# Altium PCB Copy of drac_v3.PcbDoc (part 4 of 5) (continued)
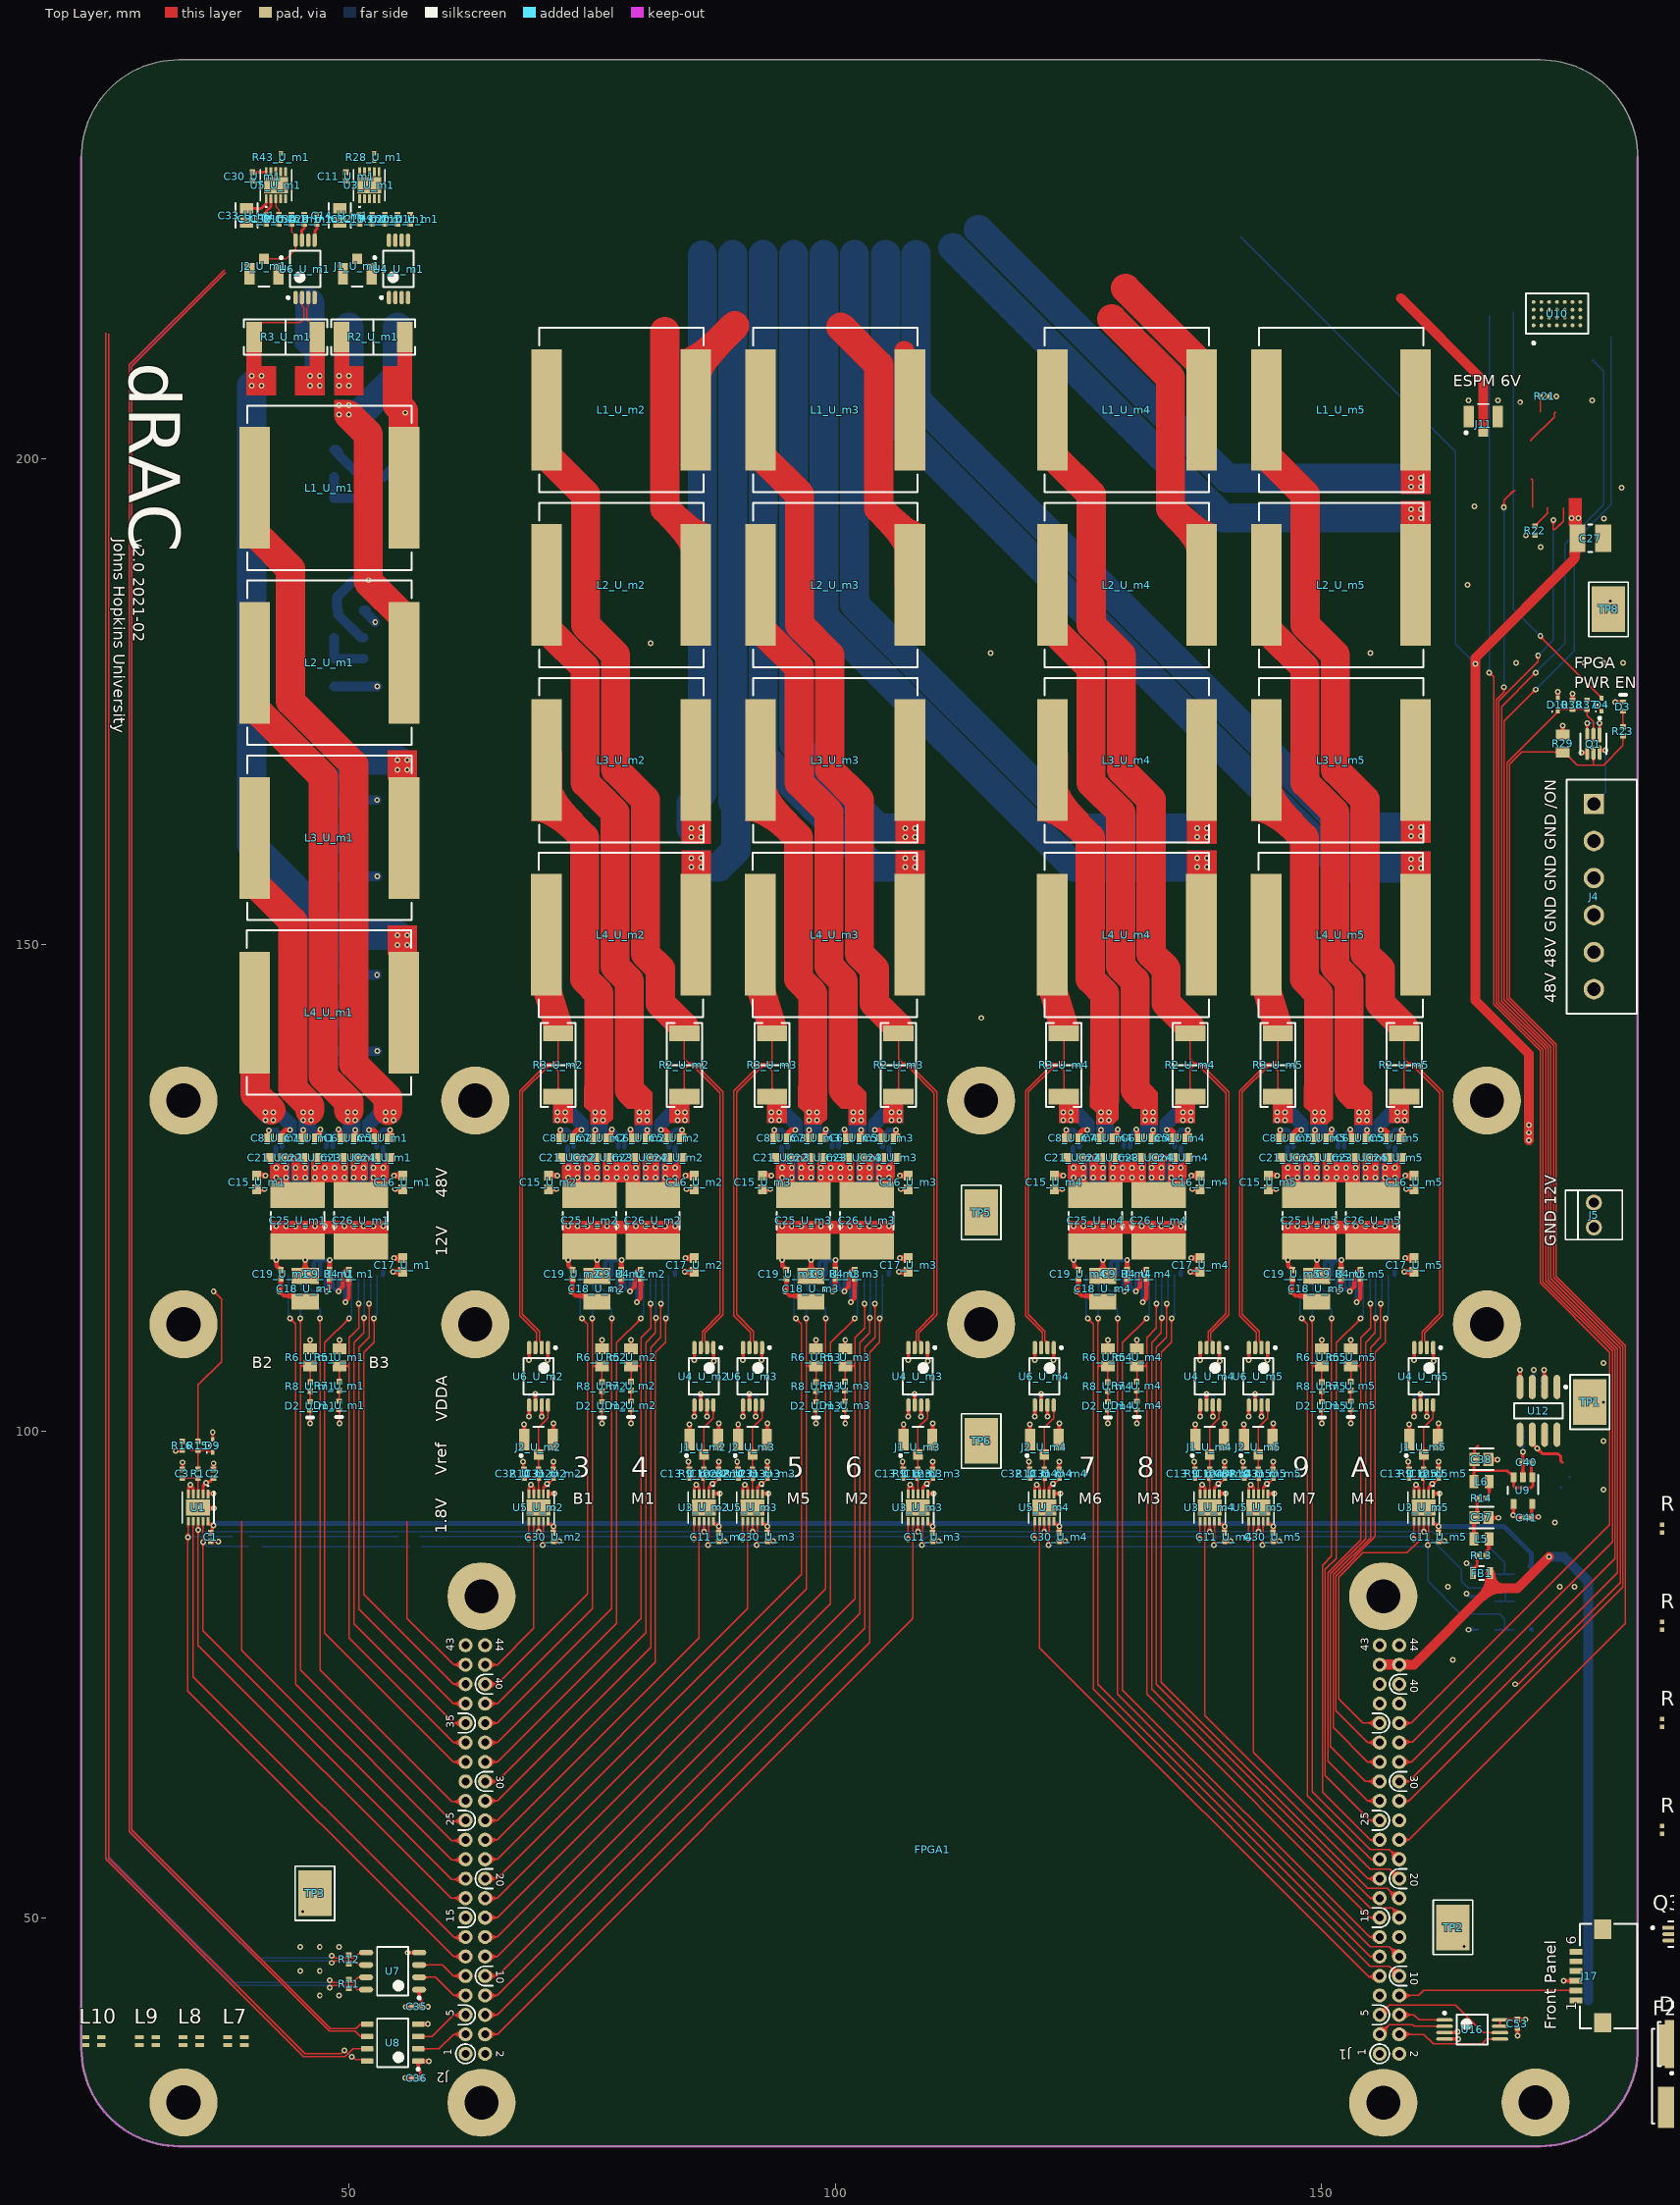
[diagram p0: Top Layer view]
## Nets (pads, with @x,y where several pads share a name; then routed paths per layer and width w, separated by ;. In a path a pad name is that pad's centre, name@x,y a point inside that pad or via, vN(x,y) a via of type N, cw(c..) or ccw(c..) an arc to the next point about the centre after c; other vN are vias at no path point) (continued)
  Bottom Layer w1: v1(173.4,87.1) 174.9,87.1 177.4,84.6 177.4,41.5
VDD6: C50.1 D6.1 J11.2 J16.25 U10.F1 U10.F2 U10.F3 U10.F4 U10.G1 U10.G2 U10.G3 U10.G4 | length 75.8
  Top Layer w1: J16.25@109.74,309.58 109.836,309.676 109.836,310.836 110.5,311.5 113,311.5 116,308.5 116,306 124.5,297.5 136.5,297.5 140,294 158.138,294 ; 158.138,216.5 166.631,208.007 J11.2@166.631,202.782
VDD12: C15_U_m1.1 C15_U_m2.1 C15_U_m3.1 C15_U_m4.1 C15_U_m5.1 C16_U_m1.1 C16_U_m2.1 C16_U_m3.1 C16_U_m4.1 C16_U_m5.1 C17_U_m1.1 C17_U_m2.1 C17_U_m3.1 C17_U_m4.1 C17_U_m5.1 C18_U_m1.1 C18_U_m2.1 C18_U_m3.1 C18_U_m4.1 C18_U_m5.1 C19_U_m1.1 C19_U_m2.1 C19_U_m3.1 C19_U_m4.1 C19_U_m5.1 C27.1 J5.1 J7.2 J17.1 P1.5 P1.10 P2.2 R39.2 U2_U_m1.1 U2_U_m1.17 U2_U_m1.18 U2_U_m1.19 U2_U_m1.36 U2_U_m2.1 U2_U_m2.17 U2_U_m2.18 U2_U_m2.19 U2_U_m2.36 U2_U_m3.1 U2_U_m3.17 U2_U_m3.18 U2_U_m3.19 U2_U_m3.36 U2_U_m4.1 U2_U_m4.17 U2_U_m4.18 U2_U_m4.19 U2_U_m4.36 U2_U_m5.1 U2_U_m5.17 U2_U_m5.18 U2_U_m5.19 U2_U_m5.36 U10.B4 U10.C4 | length 184.2
  Top Layer w0.147: J7.2@15.816,117.88 15.858,117.921 v1(15.858,118.977)
  Top Layer w0.45: C19_U_m1.1@43,115.72 43,114.614 42.825,114.439 v1(42.825,114.398) 42.866,114.398 43.34,113.924 44.899,113.924 C18_U_m1.1@45.5,113.323 ; C19_U_m2.1@73,115.72 73,114.614 72.825,114.439 v1(72.825,114.398) 72.866,114.398 73.34,113.924 74.899,113.924 C18_U_m2.1@75.5,113.323 ; C19_U_m3.1@95,115.72 95,114.614 94.825,114.439 v1(94.825,114.398) 94.866,114.398 95.34,113.924 96.899,113.924 C18_U_m3.1@97.5,113.323 ; C19_U_m4.1@125,115.72 125,114.614 124.825,114.439 v1(124.825,114.398) 124.866,114.398 125.34,113.924 126.899,113.924 C18_U_m4.1@127.5,113.323 ; C19_U_m5.1@147,115.72 147,114.614 146.825,114.439 v1(146.825,114.398) 146.866,114.398 147.34,113.924 148.899,113.924 C18_U_m5.1@149.5,113.323
  Top Layer w0.5: C15_U_m1.1@40.525,126.3 C15_U_m1.1@40.525,126.3 v1(41.425,126.298) v1(41.425,126.298) ; v1(54.525,116.398) v1(54.525,116.398) C17_U_m1.1@55.524,116.397 ; v1(54.625,126.298) v1(54.625,126.298) C16_U_m1.1@55.525,126.3 C16_U_m1.1@55.525,126.3 ; C15_U_m2.1@70.525,126.3 C15_U_m2.1@70.525,126.3 v1(71.425,126.298) v1(71.425,126.298) ; v1(84.525,116.398) v1(84.525,116.398) 85.524,116.397 C17_U_m2.1@85.525,116.396 ; v1(84.625,126.298) v1(84.625,126.298) C16_U_m2.1@85.525,126.3 C16_U_m2.1@85.525,126.3 ; C15_U_m3.1@92.525,126.3 92.526,126.299 v1(93.425,126.298) v1(93.425,126.298) ; v1(106.525,116.398) v1(106.525,116.398) C17_U_m3.1@107.524,116.397 ; v1(106.625,126.298) 106.626,126.299 107.524,126.299 C16_U_m3.1@107.525,126.3 ; C15_U_m4.1@122.525,126.3 122.526,126.299 123.424,126.299 v1(123.425,126.298) ; v1(136.525,116.398) v1(136.525,116.398) C17_U_m4.1@137.524,116.397 ; v1(136.625,126.298) 136.626,126.299 137.524,126.299 C16_U_m4.1@137.525,126.3 ; C15_U_m5.1@144.525,126.3 C15_U_m5.1@144.525,126.3 v1(145.425,126.298) v1(145.425,126.298) ; v1(158.525,116.398) 158.526,116.397 C17_U_m5.1@159.524,116.397 ; v1(158.625,126.298) v1(158.625,126.298) C16_U_m5.1@159.525,126.3 C16_U_m5.1@159.525,126.3 ; C17_U_m1.1@55.524,116.397 C17_U_m1.1@55.525,116.396 ; C17_U_m3.1@107.524,116.397 C17_U_m3.1@107.525,116.396 ; C17_U_m4.1@137.524,116.397 C17_U_m4.1@137.525,116.396 ; C17_U_m5.1@159.524,116.397 C17_U_m5.1@159.525,116.396
  Top Layer w1: v1(171.3,129.9) v1(171.3,130.7) v1(171.3,131.5) 171.3,138.8 165.8,144.3 v1(165.8,178.9) 165.8,179.5 176.031,189.731 176.031,191.533 C27.1@176.305,191.807
  Bottom Layer w0.147: R39.2@141,314.548 141.002,314.548 141.68,313.87 P1.5@141.68,310.5 P1.10@141.68,300.3 ; 141.68,222.8 163.75,200.73 163.75,180.95 v1(165.8,178.9)
  Bottom Layer w0.45: v1(42.825,114.398) v1@42.825,114.439 ; U2_U_m1.1@53.525,116.073 U2_U_m1.1@53.525,116.398 ; v1(72.825,114.398) v1@72.825,114.439 ; U2_U_m2.1@83.525,116.073 U2_U_m2.1@83.525,116.398 ; v1(94.825,114.398) v1@94.825,114.439 ; U2_U_m3.1@105.525,116.073 U2_U_m3.1@105.525,116.398 ; v1(124.825,114.398) v1@124.825,114.439 ; U2_U_m4.1@135.525,116.073 U2_U_m4.1@135.525,116.398 ; v1(146.825,114.398) v1@146.825,114.439 ; U2_U_m5.1@157.525,116.073 U2_U_m5.1@157.525,116.398
  Bottom Layer w0.5: U2_U_m1.19@42.475,128.448 U2_U_m1.19@42.475,129.223 ; U2_U_m1.36@53.525,128.448 U2_U_m1.36@53.525,129.223 ; U2_U_m2.19@72.475,128.448 U2_U_m2.19@72.475,129.223 ; U2_U_m2.36@83.525,128.448 U2_U_m2.36@83.525,129.223 ; U2_U_m3.19@94.475,128.448 U2_U_m3.19@94.475,129.223 ; U2_U_m3.36@105.525,128.448 U2_U_m3.36@105.525,129.223 ; U2_U_m4.19@124.475,128.448 U2_U_m4.19@124.475,129.223 ; U2_U_m4.36@135.525,128.448 U2_U_m4.36@135.525,129.223 ; U2_U_m5.19@146.475,128.448 U2_U_m5.19@146.475,129.223 ; U2_U_m5.36@157.525,128.448 U2_U_m5.36@157.525,129.223
  other v1: 175.7,193.9 176.4,193.9
VDDA: C10_U_m1.1 C10_U_m2.1 C10_U_m3.1 C10_U_m4.1 C10_U_m5.1 C29_U_m1.1 C29_U_m2.1 C29_U_m3.1 C29_U_m4.1 C29_U_m5.1 C38.1 C40.2 C47.2 J8.2 L6.2 U4_U_m1.5 U4_U_m2.5 U4_U_m3.5 U4_U_m4.5 U4_U_m5.5 U6_U_m1.5 U6_U_m2.5 U6_U_m3.5 U6_U_m4.5 U6_U_m5.5 U9.1 U9.3 U12.2 | length 26.3
  Top Layer w0.3: J8.2@15.816,101.38 15.858,101.421 v1(15.858,102.477) ; U6_U_m1.5@46.475,222.45 46.504,222.479 46.504,223.404 46.7,223.6 C29_U_m1.1@46.7,224.171 ; v1(68.525,101.498) U6_U_m2.5@68.525,102.698 ; v1(85.525,101.498) U4_U_m2.5@85.525,102.698 ; v1(90.525,101.498) U6_U_m3.5@90.525,102.698 ; v1(107.525,101.498) U4_U_m3.5@107.525,102.698 ; v1(120.525,101.498) U6_U_m4.5@120.525,102.698 ; v1(137.525,101.498) U4_U_m4.5@137.525,102.698 ; v1(142.525,101.498) U6_U_m5.5@142.525,102.698 ; v1(159.525,101.498) U4_U_m5.5@159.525,102.698 ; v1(172.9,106.3) 172.917,106.283 172.917,104.567 U12.2@172.935,104.55
  Bottom Layer w0.3: C29_U_m2.1@68.5,102.72 68.512,102.707 68.512,101.511 v1(68.525,101.498) ; C10_U_m2.1@85.5,102.72 85.512,102.707 85.512,101.511 v1(85.525,101.498) ; C29_U_m3.1@90.5,102.72 90.513,102.707 90.513,101.511 v1(90.525,101.498) ; C10_U_m3.1@107.5,102.72 107.513,102.707 107.513,101.511 v1(107.525,101.498) ; C29_U_m4.1@120.5,102.72 120.512,102.707 120.512,101.511 v1(120.525,101.498) ; C10_U_m4.1@137.5,102.72 137.512,102.707 137.512,101.511 v1(137.525,101.498) ; C29_U_m5.1@142.5,102.72 142.513,102.707 142.513,101.511 v1(142.525,101.498) ; C10_U_m5.1@159.5,102.72 159.513,102.707 159.513,101.511 v1(159.525,101.498) ; C47.2@172.729,104.2 172.729,105.6 172.843,105.714 172.843,106.243 v1(172.9,106.3)
VM: C21_U_m1.1 C21_U_m2.1 C21_U_m3.1 C21_U_m4.1 C21_U_m5.1 C22_U_m1.1 C22_U_m2.1 C22_U_m3.1 C22_U_m4.1 C22_U_m5.1 C23_U_m1.1 C23_U_m2.1 C23_U_m3.1 C23_U_m4.1 C23_U_m5.1 C24_U_m1.1 C24_U_m2.1 C24_U_m3.1 C24_U_m4.1 C24_U_m5.1 C25_U_m1.1 C25_U_m2.1 C25_U_m3.1 C25_U_m4.1 C25_U_m5.1 C26_U_m1.1 C26_U_m2.1 C26_U_m3.1 C26_U_m4.1 C26_U_m5.1 D5.1 F2.2 J6.2 R15.2 U2_U_m1.21 U2_U_m1.26 U2_U_m1.29 U2_U_m1.34 U2_U_m2.21 U2_U_m2.26 U2_U_m2.29 U2_U_m2.34 U2_U_m3.21 U2_U_m3.26 U2_U_m3.29 U2_U_m3.34 U2_U_m4.21 U2_U_m4.26 U2_U_m4.29 U2_U_m4.34 U2_U_m5.21 U2_U_m5.26 U2_U_m5.29 U2_U_m5.34 | length 17.9
  Top Layer w0.147: J6.2@15.816,123.88 15.858,123.921 v1(15.858,124.977) ; R15.2@34.5,98.952 34.5,104.748 36.9,107.148 36.9,113.6 v1(36.1,114.4)
  other v1: 42.525,126.098 43.525,126.098 46.525,126.098 47.525,126.098 48.525,126.098 49.525,126.098 52.525,126.098 53.525,126.098 72.525,126.098 73.525,126.098 76.525,126.098 77.525,126.098 78.525,126.098 79.525,126.098 82.525,126.098 83.525,126.098 94.525,126.098 95.525,126.098 98.525,126.098 99.525,126.098 100.525,126.098 101.525,126.098 104.525,126.098 105.525,126.098 124.525,126.098 125.525,126.098 128.525,126.098 129.525,126.098 130.525,126.098 131.525,126.098 134.525,126.098 135.525,126.098 146.525,126.098 147.525,126.098 150.525,126.098 151.525,126.098 152.525,126.098 153.525,126.098 156.525,126.098 157.525,126.098 42.525,127.098 43.525,127.098 46.525,127.098 47.525,127.098 48.525,127.098 49.525,127.098 52.525,127.098 53.525,127.098 72.525,127.098 73.525,127.098 76.525,127.098 77.525,127.098 78.525,127.098 79.525,127.098 82.525,127.098 83.525,127.098 94.525,127.098 95.525,127.098 98.525,127.098 99.525,127.098 100.525,127.098 101.525,127.098 104.525,127.098 105.525,127.098 124.525,127.098 125.525,127.098 128.525,127.098 129.525,127.098 130.525,127.098 131.525,127.098 134.525,127.098 135.525,127.098 146.525,127.098 147.525,127.098 150.525,127.098 151.525,127.098 152.525,127.098 153.525,127.098 156.525,127.098 157.525,127.098
VREF: C4.1 C14_U_m1.1 C14_U_m2.1 C14_U_m3.1 C14_U_m4.1 C14_U_m5.1 C20_U_m1.1 C20_U_m2.1 C20_U_m3.1 C20_U_m4.1 C20_U_m5.1 C33_U_m1.1 C33_U_m2.1 C33_U_m3.1 C33_U_m4.1 C33_U_m5.1 C34_U_m1.1 C34_U_m2.1 C34_U_m3.1 C34_U_m4.1 C34_U_m5.1 C49.2 J9.2 U1.1 U3_U_m1.1 U3_U_m2.1 U3_U_m3.1 U3_U_m4.1 U3_U_m5.1 U4_U_m1.7 U4_U_m2.7 U4_U_m3.7 U4_U_m4.7 U4_U_m5.7 U5_U_m1.1 U5_U_m2.1 U5_U_m3.1 U5_U_m4.1 U5_U_m5.1 U6_U_m1.7 U6_U_m2.7 U6_U_m3.7 U6_U_m4.7 U6_U_m5.7 U12.6 | length 21.6
  Top Layer w0.147: J9.2@15.816,95.38 15.858,95.421 v1(15.858,96.477)
  Top Layer w0.3: U1.1@35.5,93.551 35.5,93.6 v1(36.1,93.6) ; C33_U_m1.1@39.47,225.726 41.026,225.726 41.5,226.2 U5_U_m1.1@41.5,226.698 ; U6_U_m1.7@45.175,222.45 45.175,223.475 45.4,223.7 C34_U_m1.1@45.4,224.171 ; v1(69.825,101.498) U6_U_m2.7@69.825,102.698 ; U5_U_m2.1@70.5,93.551 70.5,93.598 v1(71.125,93.598) ; v1(86.825,101.498) U4_U_m2.7@86.825,102.698 ; U3_U_m2.1@87.5,93.551 87.5,93.598 v1(88.125,93.598) ; v1(91.825,101.498) U6_U_m3.7@91.825,102.698 ; U5_U_m3.1@92.5,93.551 92.5,93.598 v1(93.125,93.598) ; v1(108.825,101.498) U4_U_m3.7@108.825,102.698 ; U3_U_m3.1@109.5,93.551 109.5,93.598 v1(110.125,93.598) ; v1(121.825,101.498) U6_U_m4.7@121.825,102.698 ; U5_U_m4.1@122.5,93.551 122.5,93.598 v1(123.125,93.598) ; v1(138.825,101.498) U4_U_m4.7@138.825,102.698 ; U3_U_m4.1@139.5,93.551 139.5,93.598 v1(140.125,93.598) ; v1(143.825,101.498) U6_U_m5.7@143.825,102.698 ; U5_U_m5.1@144.5,93.551 144.5,93.598 v1(145.125,93.598) ; v1(160.825,101.498) U4_U_m5.7@160.825,102.698 ; U3_U_m5.1@161.5,93.551 161.5,93.598 v1(162.125,93.598)
  Bottom Layer w0.3: v1@71.068,93.541 v1(71.125,93.598) ; v1@93.068,93.541 v1(93.125,93.598) ; v1@123.068,93.541 v1(123.125,93.598) ; v1@145.068,93.541 v1(145.125,93.598)
VREG_U_m1: C9_U_m1.1 U2_U_m1.10 U2_U_m1.13 | length 6.6
  Top Layer w0.45: v1(47.736,114.387) 47.736,114.428 48,114.692 C9_U_m1.1@48,115.72
  Bottom Layer w0.147: U2_U_m1.13@45.725,116.073 45.725,114.898 46.236,114.387 v1(47.736,114.387)
  Bottom Layer w0.45: U2_U_m1.10@47.675,116.073 47.675,114.489 47.736,114.428 v1(47.736,114.387)
VREG_U_m2: C9_U_m2.1 U2_U_m2.10 U2_U_m2.13 | length 6.6
  Top Layer w0.45: v1(77.736,114.387) 77.736,114.428 78,114.692 C9_U_m2.1@78,115.72
  Bottom Layer w0.147: U2_U_m2.13@75.725,116.073 75.725,114.898 76.236,114.387 v1(77.736,114.387)
  Bottom Layer w0.45: U2_U_m2.10@77.675,116.073 77.675,114.489 77.736,114.428 v1(77.736,114.387)
VREG_U_m3: C9_U_m3.1 U2_U_m3.10 U2_U_m3.13 | length 6.6
  Top Layer w0.45: v1(99.736,114.387) 99.736,114.428 100,114.692 C9_U_m3.1@100,115.72
  Bottom Layer w0.147: U2_U_m3.13@97.725,116.073 97.725,114.898 98.236,114.387 v1(99.736,114.387)
  Bottom Layer w0.45: U2_U_m3.10@99.675,116.073 99.675,114.489 99.736,114.428 v1(99.736,114.387)
VREG_U_m4: C9_U_m4.1 U2_U_m4.10 U2_U_m4.13 | length 6.6
  Top Layer w0.45: v1(129.736,114.387) 129.736,114.428 130,114.692 C9_U_m4.1@130,115.72
  Bottom Layer w0.147: U2_U_m4.13@127.725,116.073 127.725,114.898 128.236,114.387 v1(129.736,114.387)
  Bottom Layer w0.45: U2_U_m4.10@129.675,116.073 129.675,114.489 129.736,114.428 v1(129.736,114.387)
VREG_U_m5: C9_U_m5.1 U2_U_m5.10 U2_U_m5.13 | length 6.6
  Top Layer w0.45: v1(151.736,114.387) 151.736,114.428 152,114.692 C9_U_m5.1@152,115.72
  Bottom Layer w0.147: U2_U_m5.13@149.725,116.073 149.725,114.898 150.236,114.387 v1(151.736,114.387)
  Bottom Layer w0.45: U2_U_m5.10@151.675,116.073 151.675,114.489 151.736,114.428 v1(151.736,114.387)
pads on no net: F1.1 F1.2 FPGA1.7 J3.3 J3.6 J3.7 J3.8 J3.9 J3.10 J3.13 J16.9 J16.16 J16.17 J16.18 J17.4 J17.5 J17.6 J17.MP1 J17.MP2 P2.1 Q2.3 Q2.4 Q2.5 U10.A3 U12.1 U12.3 U12.5 U12.7 U12.8 U15.2 U15.7
copper on no net: | length 586.4
  Top Layer w0.147: 69.175,108.598 69.175,109.155 69.301,109.281 69.301,110.172 67.576,111.897 67.576,134.974 70.399,137.797 71.124,137.797 71.5,138.173 71.5,140.898 ; 84.5,140.898 84.5,138.287 84.912,137.875 85.473,137.875 88.45,134.898 88.45,111.973 86.6,110.123 86.6,109.311 86.825,109.086 86.825,108.598 ; 91.175,108.598 91.175,109.155 91.301,109.281 91.301,110.172 89.576,111.897 89.576,134.974 92.399,137.797 93.124,137.797 93.5,138.173 93.5,140.898 ; 106.5,140.898 106.5,138.287 106.912,137.875 107.473,137.875 110.45,134.898 110.45,111.973 108.6,110.123 108.6,109.311 108.825,109.086 108.825,108.598 ; 121.175,108.598 121.175,109.155 121.301,109.281 121.301,110.172 119.576,111.897 119.576,134.974 122.399,137.797 123.124,137.797 123.5,138.173 123.5,140.898 ; 136.5,140.898 136.5,138.287 136.912,137.875 137.473,137.875 140.45,134.898 140.45,111.973 138.6,110.123 138.6,109.311 138.825,109.086 138.825,108.598 ; 143.175,108.598 143.175,109.155 143.301,109.281 143.301,110.172 141.576,111.897 141.576,134.974 144.399,137.797 145.124,137.797 145.5,138.173 145.5,140.898 ; 158.5,140.898 158.5,138.287 158.912,137.875 159.473,137.875 162.45,134.898 162.45,111.973 160.6,110.123 160.6,109.311 160.825,109.086 160.825,108.598 ; 171.524,197.924 171.674,197.774 171.674,194.949 ; 171.524,201.824 171.5,201.848 171.5,201.85 173.898,204.248 173.898,204.623 174.074,204.799
  Top Layer w0.3: 165.662,94.824 165.662,95.944 ; 166.071,98.471 165.721,98.121 165.721,97.124 165.662,97.064 165.662,95.944 ; 171.529,96.8 171.589,96.739 171.589,95.336 171.7,95.225 171.7,94.364 171.524,94.188 169.926,94.188 169.75,94.364 169.75,95.275 169.75,95.475 169.6,95.625 169.4,95.625 169.081,95.944 165.662,95.944 ; 171.665,99.65 171.665,98.75 172.715,97.7 174.3,97.7 174.618,97.382 174.618,96.934 174.752,96.8
  Top Layer w3: 70.325,205 70.325,200.325 70.4,200.25 74.325,196.325 74.325,182.9 77.427,179.798 77.427,167.996 80.479,164.944 80.479,149.089 82.025,147.543 82.025,144.023 84.45,141.598 ; 92.325,205 92.325,200.325 92.4,200.25 96.325,196.325 96.325,182.9 99.427,179.798 99.427,167.996 102.479,164.944 102.479,149.089 104.025,147.543 104.025,144.023 106.45,141.598 ; 122.325,205 122.325,200.325 122.4,200.25 126.325,196.325 126.325,182.9 129.427,179.798 129.427,167.996 132.479,164.944 132.479,149.089 134.025,147.543 134.025,144.023 136.45,141.598 ; 144.325,205 144.325,200.325 144.4,200.25 148.325,196.325 148.325,182.9 151.427,179.798 151.427,167.996 154.479,164.944 154.479,149.089 156.025,147.543 156.025,144.023 158.45,141.598
  Bottom Layer w0.3: 171.529,100.4 171.529,99.098 171.55,99.098 172.133,98.516 172.133,98.282 v1(172.19,98.225) ; 174.573,94.2 174.6,94.2 ; 175.492,95.299 175.493,95.3 175.5,95.3
  other v1: 174,90.6

## Polygon pours and split planes (outlines as drawn)
VDD on Bottom Layer "VDD_L06_P003" (solid, remove dead copper, pour order 3): 172.5,87.033 172.5,26 53,26 53,87.444
GND on Mid Layer 4 (split plane): 153 vertices, not listed, extent 23.008,27.008 181.992,240.492
GND on Mid Layer 1 (split plane): 153 vertices, not listed, extent 23.008,27.008 181.992,240.492

## Keep-outs
Keep-Out Layer:
  lines w0.254: 22.5,231 22.5,36.5 ccw(c32.5,36.5) 32.5,26.5 172.5,26.5 ccw(c172.5,36.5) 182.5,36.5 182.5,231 ; 22.5,308.5 cw(c32.5,308.5) 32.5,318.5 172.5,318.5 cw(c172.5,308.5) 182.5,308.5

## Other copper
Top Layer:
  rectangle net ISENSE+2_U_m1: 54,149 57,152
  rectangle net /BRAKE2: 54,167 57,170
  region net /BRAKE3: 50,204.5 48.5,204.5 48.5,206 50,206
  region net ISENSE-1_U_m1: 56.5,211 55,211 55,209.5 53.5,209.5 53.5,206.5 56.5,206.5
  region net BRAKE3: 48.5,211 50,211 50,209.5 51.5,209.5 51.5,206.5 48.5,206.5
  region net BRAKE2: 47.5,211 46,211 46,209.5 44.5,209.5 44.5,206.5 47.5,206.5
  region net ISENSE+2_U_m1: 39.5,211 41,211 41,209.5 42.5,209.5 42.5,206.5 39.5,206.5
  region: 145.825,145.598 147.025,141.598 144.025,141.598 142.825,145.598
  region: 123.825,145.598 125.025,141.598 122.025,141.598 120.825,145.598
  region: 93.825,145.598 95.025,141.598 92.025,141.598 90.825,145.598
  region: 71.825,145.598 73.025,141.598 70.025,141.598 68.825,145.598
  region net VDD12: 175.431,195.907 175.431,193.107 176.731,193.107 176.731,195.907
  region net BRAKE1: 84.2,159.7 84.2,157.3 87.2,157.3 87.2,159.7
  region net /BRAKE1: 84.2,162.8 84.2,160.4 87.2,160.4 87.2,162.8
  region net COIL2_P3: 106.2,159.7 106.2,157.3 109.2,157.3 109.2,159.7
  region net /MOTOR5: 106.2,162.8 106.2,160.4 109.2,160.4 109.2,162.8
  region net COIL2_P4: 136.2,159.7 136.2,157.3 139.2,157.3 139.2,159.7
  region net /MOTOR6: 136.2,162.8 136.2,160.4 139.2,160.4 139.2,162.8
  region net COIL1_P5: 158.2,195.6 158.2,193.2 161.2,193.2 161.2,195.6
  region net /MOTOR4: 158.2,198.8 158.2,196.4 161.2,196.4 161.2,198.8
  region net COIL2_P5: 158.2,159.6 158.2,157.2 161.2,157.2 161.2,159.6
  region net /MOTOR7: 158.2,162.9 158.2,160.5 161.2,160.5 161.2,162.9
  region net NetC5_U_m4_2: 134.975,133.698 134.975,131.698 136.975,131.698 136.975,133.698
  region net VM: 135.725,127.698 135.725,127.498 134.225,127.498 134.225,125.598 136.125,125.598 136.125,127.698
  region net GND: 132.225,125.798 132.225,128.498 134.525,128.498 134.525,127.698 133.925,127.698 133.925,125.798
  region net VM: 131.925,127.698 131.925,125.598 128.125,125.598 128.125,127.698
  region net NetC8_U_m4_2: 125.025,133.698 125.025,131.698 123.025,131.698 123.025,133.698
  region net GND: 127.825,125.798 126.125,125.798 126.125,127.698 125.625,127.698 125.625,128.498 127.825,128.498
  region net VM: 124.325,127.698 124.325,127.498 125.825,127.498 125.825,125.598 123.925,125.598 123.925,127.698
  region net GND: 124.025,120.298 136.025,120.298 136.025,121.598 124.025,121.598
  region net NetC7_U_m4_2: 129.175,135.498 129.139,132.113 128.575,131.548 126.825,131.548 126.825,132.748 126.2,133.373 126.2,135.498
  region net NetC6_U_m4_2: 132.325,135.698 133.175,134.848 133.175,131.523 131.375,131.523 131.375,133.173 130.625,133.173 129.75,134.048
  region net NetC5_U_m3_2: 104.975,133.698 104.975,131.698 106.975,131.698 106.975,133.698
  region net VM: 105.725,127.698 105.725,127.498 104.225,127.498 104.225,125.598 106.125,125.598 106.125,127.698
  region net GND: 102.225,125.798 102.225,128.498 104.525,128.498 104.525,127.698 103.925,127.698 103.925,125.798
  region net VM: 101.925,127.698 101.925,125.598 98.125,125.598 98.125,127.698
  region net NetC8_U_m3_2: 95.025,133.698 95.025,131.698 93.025,131.698 93.025,133.698
  region net GND: 97.825,125.798 96.125,125.798 96.125,127.698 95.625,127.698 95.625,128.498 97.825,128.498
  region net VM: 94.325,127.698 94.325,127.498 95.825,127.498 95.825,125.598 93.925,125.598 93.925,127.698
  region net GND: 94.025,120.298 106.025,120.298 106.025,121.598 94.025,121.598
  region net NetC7_U_m3_2: 99.175,135.498 99.139,132.113 98.575,131.548 96.825,131.548 96.825,132.748 96.2,133.373 96.2,135.498
  region net NetC6_U_m3_2: 102.325,135.698 103.175,134.848 103.175,131.523 101.375,131.523 101.375,133.173 100.625,133.173 99.75,134.048
  region net NetC5_U_m2_2: 82.975,133.698 82.975,131.698 84.975,131.698 84.975,133.698
  region net VM: 83.725,127.698 83.725,127.498 82.225,127.498 82.225,125.598 84.125,125.598 84.125,127.698
  region net GND: 80.225,125.798 80.225,128.498 82.525,128.498 82.525,127.698 81.925,127.698 81.925,125.798
  region net VM: 79.925,127.698 79.925,125.598 76.125,125.598 76.125,127.698
  region net NetC8_U_m2_2: 73.025,133.698 73.025,131.698 71.025,131.698 71.025,133.698
  region net GND: 75.825,125.798 74.125,125.798 74.125,127.698 73.625,127.698 73.625,128.498 75.825,128.498
  region net VM: 72.325,127.698 72.325,127.498 73.825,127.498 73.825,125.598 71.925,125.598 71.925,127.698
  region net GND: 72.025,120.298 84.025,120.298 84.025,121.598 72.025,121.598
  region net NetC7_U_m2_2: 77.175,135.498 77.139,132.113 76.575,131.548 74.825,131.548 74.825,132.748 74.2,133.373 74.2,135.498
  region net NetC6_U_m2_2: 80.325,135.698 81.175,134.848 81.175,131.523 79.375,131.523 79.375,133.173 78.625,133.173 77.75,134.048
  region net VM: 53.725,127.698 53.725,127.498 52.225,127.498 52.225,125.598 54.125,125.598 54.125,127.698
  region net GND: 50.225,125.798 50.225,128.498 52.525,128.498 52.525,127.698 51.925,127.698 51.925,125.798
  region net VM: 49.925,127.698 49.925,125.598 46.125,125.598 46.125,127.698
  region net GND: 45.825,125.798 44.125,125.798 44.125,127.698 43.625,127.698 43.625,128.498 45.825,128.498
  region net VM: 42.325,127.698 42.325,127.498 43.825,127.498 43.825,125.598 41.925,125.598 41.925,127.698
  region net GND: 42.025,120.298 54.025,120.298 54.025,121.598 42.025,121.598
  region net GND: 154.225,125.798 154.225,128.498 156.525,128.498 156.525,127.698 155.925,127.698 155.925,125.798
  region net VM: 157.725,127.698 157.725,127.498 156.225,127.498 156.225,125.598 158.125,125.598 158.125,127.698
  region net VM: 153.925,127.698 153.925,125.598 150.125,125.598 150.125,127.698
  region net GND: 149.825,125.798 148.125,125.798 148.125,127.698 147.625,127.698 147.625,128.498 149.825,128.498
  region net VM: 146.325,127.698 146.325,127.498 147.825,127.498 147.825,125.598 145.925,125.598 145.925,127.698
  region net NetC7_U_m5_2: 151.175,135.498 151.139,132.113 150.575,131.548 148.825,131.548 148.825,132.748 148.2,133.373 148.2,135.498
  region net NetC5_U_m5_2: 156.975,133.698 156.975,131.698 158.975,131.698 158.975,133.698
  region net NetC6_U_m5_2: 154.325,135.698 155.175,134.848 155.175,131.523 153.375,131.523 153.375,133.173 152.625,133.173 151.75,134.048
  region net NetC8_U_m5_2: 147.025,133.698 147.025,131.698 145.025,131.698 145.025,133.698
  region net GND: 146.025,120.298 158.025,120.298 158.025,121.598 146.025,121.598
Bottom Layer:
  region net ISENSE+2_U_m1: 54.5,151 54.5,149.5 56.5,149.5 56.5,151
  region net /BRAKE2: 54.5,169 54.5,167.5 56.5,167.5 56.5,169
  region net BRAKE3: 50,209 48.5,209 48.5,207 50,207
  region net /BRAKE3: 50.5,204.5 50.5,206 48.5,206 48.5,204.5
  region net ISENSE+2_U_m1: 40,207 41.5,207 41.5,209 40,209
  region net BRAKE2: 45.5,207 47.5,207 47.5,214 44.5,214 44.5,211.5 45.5,210.5
  region net COIL1_P5: 158.2,195.6 158.2,193.2 161.2,193.2 161.2,195.6
  region net /MOTOR4: 158.2,198.8 158.2,196.4 161.2,196.4 161.2,198.8
  region net COIL2_P5: 158.2,159.6 158.2,157.2 161.2,157.2 161.2,159.6
  region net /MOTOR7: 158.2,162.9 158.2,160.5 161.2,160.5 161.2,162.9
  region net COIL2_P4: 136.2,159.7 136.2,157.3 139.2,157.3 139.2,159.7
  region net /MOTOR6: 136.2,162.8 136.2,160.4 139.2,160.4 139.2,162.8
  region net COIL2_P3: 106.2,159.7 106.2,157.3 109.2,157.3 109.2,159.7
  region net /MOTOR5: 106.2,162.8 106.2,160.4 109.2,160.4 109.2,162.8
  region net BRAKE1: 84.2,159.7 84.2,157.3 87.2,157.3 87.2,159.7
  region net /BRAKE1: 84.2,162.8 84.2,160.4 87.2,160.4 87.2,162.8
  region net NetC5_U_m4_2: 133.375,130.198 133.375,131.898 134.675,133.198 136.975,133.198 136.975,131.698 135.175,131.698 133.675,130.198
  region net NetC6_U_m4_2: 131.375,130.098 131.375,133.198 133.175,133.198 133.175,130.398 131.875,130.398 131.875,130.098
  region net NetC8_U_m4_2: 126.625,130.198 126.625,131.898 125.325,133.198 123.025,133.198 123.025,131.698 124.825,131.698 126.325,130.198
  region net NetC7_U_m4_2: 128.625,130.098 128.625,133.198 126.825,133.198 126.825,130.398 128.125,130.398 128.125,130.098
  region net VM: 128.225,125.598 131.825,125.598 131.825,127.998 131.125,127.998 131.125,128.398 130.825,128.398 130.825,127.998 129.225,127.998 129.225,128.398 128.825,128.398 128.825,127.998 128.225,127.998
  region net GND: 126.225,125.598 127.925,125.598 127.925,128.298 126.825,128.298 126.825,127.998 126.225,127.998
  region net VM: 126.025,125.598 126.025,128.298 125.525,128.298 125.525,127.998 124.225,127.998 124.225,125.598
  region net GND: 133.825,125.598 132.125,125.598 132.125,128.298 133.125,128.298 133.125,127.998 133.825,127.998
  region net VM: 134.025,125.598 134.025,128.298 134.425,128.298 134.425,127.998 135.825,127.998 135.825,125.598
  region net NetC5_U_m3_2: 103.375,130.198 103.375,131.898 104.675,133.198 106.975,133.198 106.975,131.698 105.175,131.698 103.675,130.198
  region net NetC6_U_m3_2: 101.375,130.098 101.375,133.198 103.175,133.198 103.175,130.398 101.875,130.398 101.875,130.098
  region net NetC8_U_m3_2: 96.625,130.198 96.625,131.898 95.325,133.198 93.025,133.198 93.025,131.698 94.825,131.698 96.325,130.198
  region net NetC7_U_m3_2: 98.625,130.098 98.625,133.198 96.825,133.198 96.825,130.398 98.125,130.398 98.125,130.098
  region net VM: 98.225,125.598 101.825,125.598 101.825,127.998 101.125,127.998 101.125,128.398 100.825,128.398 100.825,127.998 99.225,127.998 99.225,128.398 98.825,128.398 98.825,127.998 98.225,127.998
  region net GND: 96.225,125.598 97.925,125.598 97.925,128.298 96.825,128.298 96.825,127.998 96.225,127.998
  region net VM: 96.025,125.598 96.025,128.298 95.525,128.298 95.525,127.998 94.225,127.998 94.225,125.598
  region net GND: 103.825,125.598 102.125,125.598 102.125,128.298 103.125,128.298 103.125,127.998 103.825,127.998
  region net VM: 104.025,125.598 104.025,128.298 104.425,128.298 104.425,127.998 105.825,127.998 105.825,125.598
  region net NetC5_U_m2_2: 81.375,130.198 81.375,131.898 82.675,133.198 84.975,133.198 84.975,131.698 83.175,131.698 81.675,130.198
  region net NetC6_U_m2_2: 79.375,130.098 79.375,133.198 81.175,133.198 81.175,130.398 79.875,130.398 79.875,130.098
  region net NetC8_U_m2_2: 74.625,130.198 74.625,131.898 73.325,133.198 71.025,133.198 71.025,131.698 72.825,131.698 74.325,130.198
  region net NetC7_U_m2_2: 76.625,130.098 76.625,133.198 74.825,133.198 74.825,130.398 76.125,130.398 76.125,130.098
  region net VM: 76.225,125.598 79.825,125.598 79.825,127.998 79.125,127.998 79.125,128.398 78.825,128.398 78.825,127.998 77.225,127.998 77.225,128.398 76.825,128.398 76.825,127.998 76.225,127.998
  region net GND: 74.225,125.598 75.925,125.598 75.925,128.298 74.825,128.298 74.825,127.998 74.225,127.998
  region net VM: 74.025,125.598 74.025,128.298 73.525,128.298 73.525,127.998 72.225,127.998 72.225,125.598
  region net GND: 81.825,125.598 80.125,125.598 80.125,128.298 81.125,128.298 81.125,127.998 81.825,127.998
  region net VM: 82.025,125.598 82.025,128.298 82.425,128.298 82.425,127.998 83.825,127.998 83.825,125.598
  region net NetC5_U_m1_2: 51.375,130.198 51.375,131.898 52.675,133.198 54.975,133.198 54.975,131.698 53.175,131.698 51.675,130.198
  region net NetC6_U_m1_2: 49.375,130.098 49.375,133.198 51.175,133.198 51.175,130.398 49.875,130.398 49.875,130.098
  region net NetC8_U_m1_2: 44.625,130.198 44.625,131.898 43.325,133.198 41.025,133.198 41.025,131.698 42.825,131.698 44.325,130.198
  region net NetC7_U_m1_2: 46.625,130.098 46.625,133.198 44.825,133.198 44.825,130.398 46.125,130.398 46.125,130.098
  region net VM: 46.225,125.598 49.825,125.598 49.825,127.998 49.125,127.998 49.125,128.398 48.825,128.398 48.825,127.998 47.225,127.998 47.225,128.398 46.825,128.398 46.825,127.998 46.225,127.998
  region net GND: 44.225,125.598 45.925,125.598 45.925,128.298 44.825,128.298 44.825,127.998 44.225,127.998
  region net VM: 44.025,125.598 44.025,128.298 43.525,128.298 43.525,127.998 42.225,127.998 42.225,125.598
  region net GND: 51.825,125.598 50.125,125.598 50.125,128.298 51.125,128.298 51.125,127.998 51.825,127.998
  region net VM: 52.025,125.598 52.025,128.298 52.425,128.298 52.425,127.998 53.825,127.998 53.825,125.598
  region net NetC6_U_m5_2: 153.375,130.098 153.375,133.198 155.175,133.198 155.175,130.398 153.875,130.398 153.875,130.098
  region net NetC5_U_m5_2: 155.375,130.198 155.375,131.898 156.675,133.198 158.975,133.198 158.975,131.698 157.175,131.698 155.675,130.198
  region net NetC7_U_m5_2: 150.625,130.098 150.625,133.198 148.825,133.198 148.825,130.398 150.125,130.398 150.125,130.098
  region net NetC8_U_m5_2: 148.625,130.198 148.625,131.898 147.325,133.198 145.025,133.198 145.025,131.698 146.825,131.698 148.325,130.198
  region net VM: 148.025,125.598 148.025,128.298 147.525,128.298 147.525,127.998 146.225,127.998 146.225,125.598
  region net GND: 148.225,125.598 149.925,125.598 149.925,128.298 148.825,128.298 148.825,127.998 148.225,127.998
  region net VM: 156.025,125.598 156.025,128.298 156.425,128.298 156.425,127.998 157.825,127.998 157.825,125.598
  region net GND: 155.825,125.598 154.125,125.598 154.125,128.298 155.125,128.298 155.125,127.998 155.825,127.998
  region net VM: 150.225,125.598 153.825,125.598 153.825,127.998 153.125,127.998 153.125,128.398 152.825,128.398 152.825,127.998 151.225,127.998 151.225,128.398 150.825,128.398 150.825,127.998 150.225,127.998